# Altium PCB RFSOC_SAWG.PcbDoc (part 5 of 15)
Units mm, origin at the board's own origin, x right, y up, seen from the top; angles counter-clockwise.
Board outline 221.25 x 100 mm, 8 copper layers (Top Layer, Mid-Layer 2, Mid-Layer 3, Mid-Layer 4, Mid-Layer 5, Mid-Layer 6, Mid-Layer 7, Bottom Layer), stack 1.455 mm thick; 1107 components, 833 nets, 3980 pads, 2483 vias.
Unrouted connection lines stored in the file: 1.
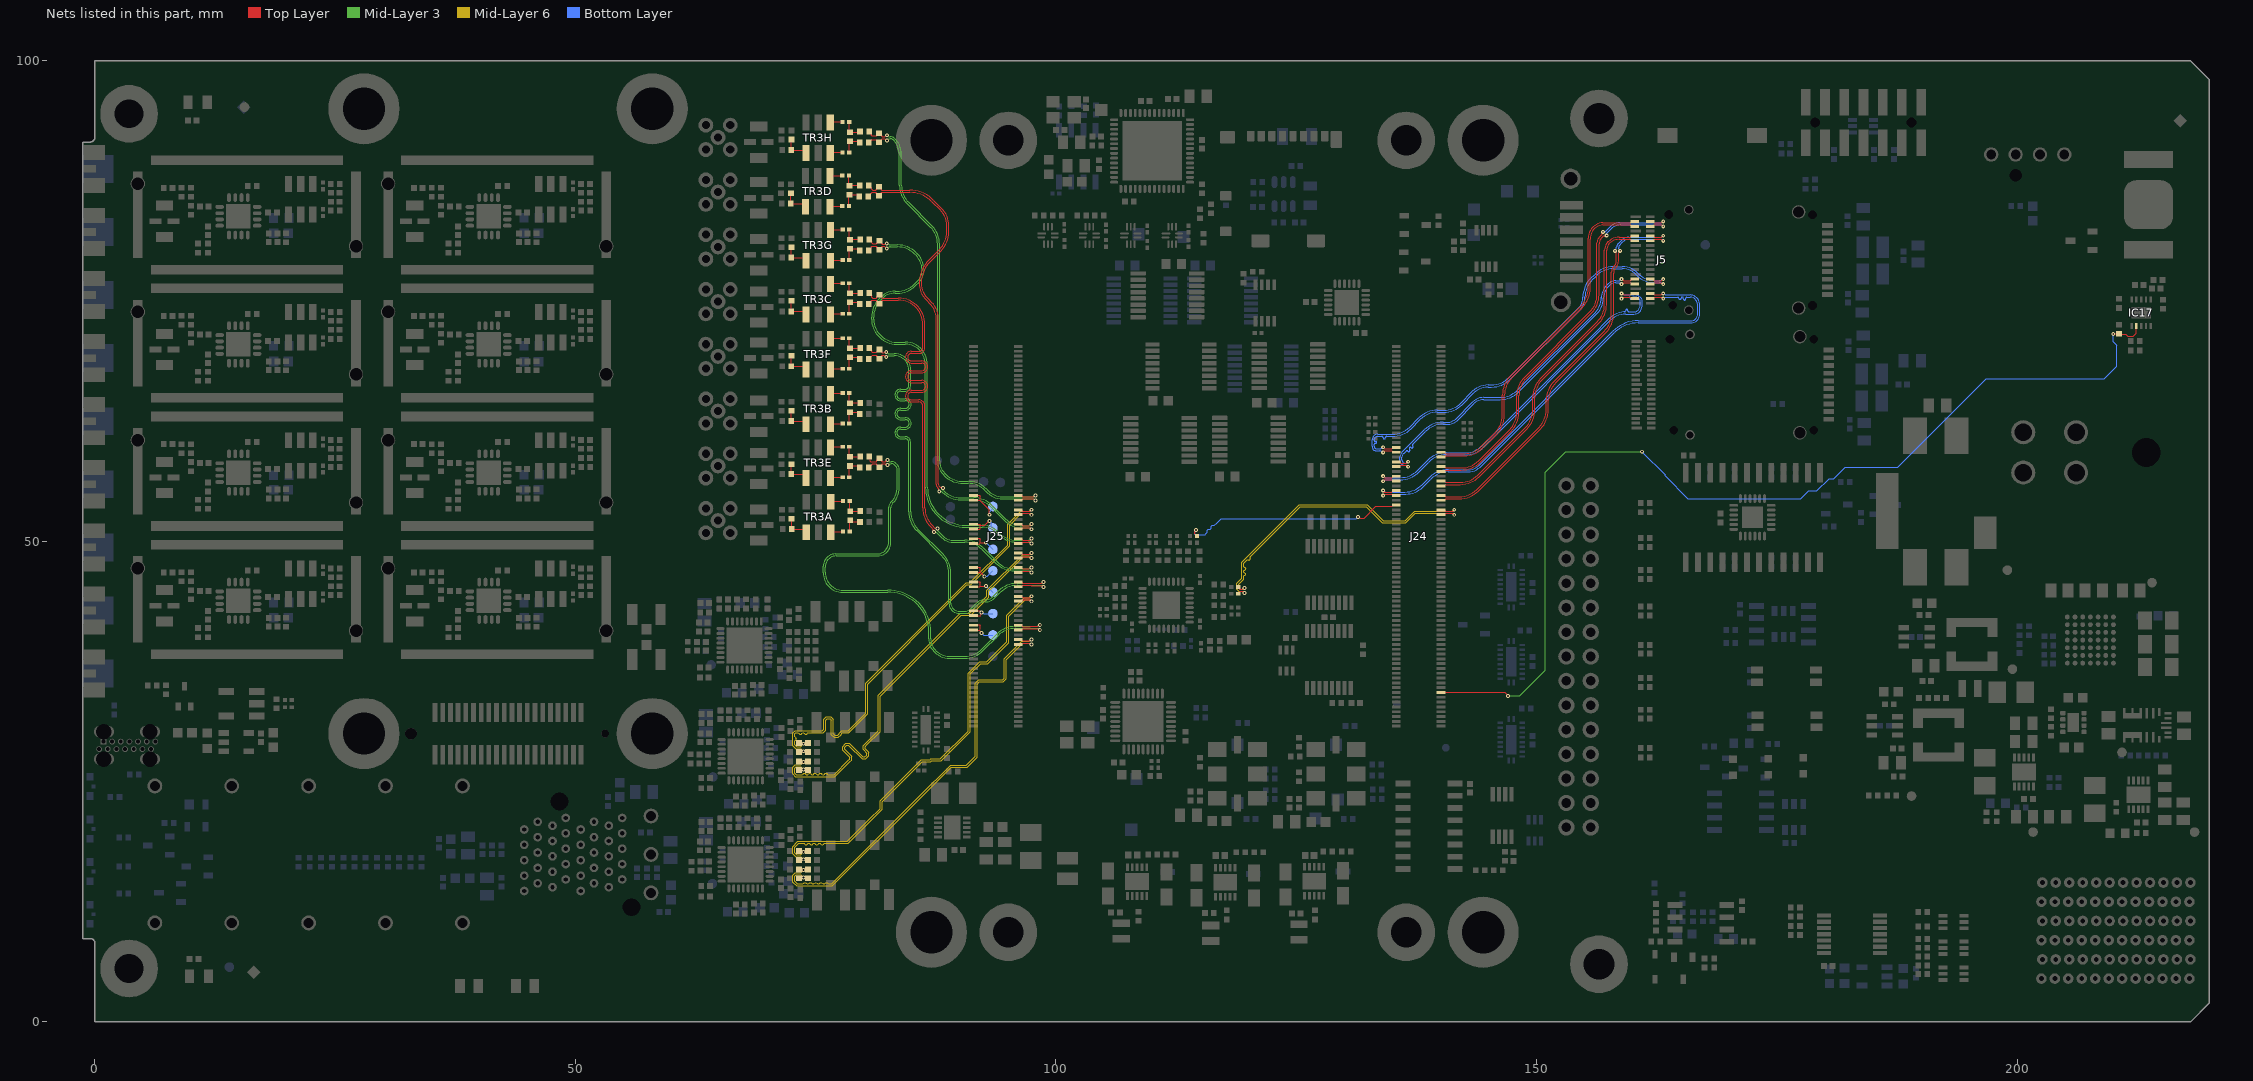
[diagram p11: the nets of this part, all layers, seen from the top]

## Via types
v1: diameter 0.4, hole 0.2, Top Layer to Bottom Layer, tented both sides, 1996 vias
v2: diameter 0.55, hole 0.2, Top Layer to Bottom Layer, 149 vias
v3: diameter 0.5, hole 0.2, Top Layer to Bottom Layer, tented both sides, 106 vias
v4: diameter 0.6, hole 0.3, Top Layer to Bottom Layer, tented both sides, 99 vias
v5: diameter 0.4, hole 0.15, Top Layer to Bottom Layer, tented both sides, 60 vias
v6: diameter 0.6, hole 0.3, Top Layer to Bottom Layer, 32 vias
v7: diameter 0.8, hole 0.5, Top Layer to Bottom Layer, tented both sides, 23 vias
v8: diameter 0.3/0.4/0.4/0.4/0.4/0.3 (per signal layer), hole 0.2, Top Layer to Bottom Layer, tented both sides, 12 vias
v9: diameter 0.4, hole 0.2, Top Layer to Bottom Layer, 5 vias
v10: diameter 0.5, hole 0.2, Top Layer to Bottom Layer, 1 vias

## Nets (pads, with @x,y where several pads share a name; then routed paths per layer and width w, separated by ;. In a path a pad name is that pad's centre, name@x,y a point inside that pad or via, vN(x,y) a via of type N, cw(c..) or ccw(c..) an arc to the next point about the centre after c; other vN are vias at no path point) (continued)
ADC0C_N: J25.65 R93C.2 R95C.1 | length 52.1
  Top Layer w0.093: R93C.2@80.533,74.694 80.774,74.935 80.774,75.038 80.828,75.092 81.307,75.092 81.362,75.038 81.362,74.976 81.605,74.732 R95C.1@81.625,74.732 81.645,74.732 81.889,74.976 81.889,75.038 81.943,75.092 83.61,75.092 cw(c83.61,72.552) 86.15,72.552 86.15,72.55 86.15,70.18 cw(c85.754,70.18) 85.754,69.783 84.963,69.783 ccw(c84.963,69.167) 84.963,68.55 86.047,68.55 cw(c86.047,68.154) 86.047,67.757 84.963,67.757 ccw(c84.963,67.141) 84.963,66.524 86.047,66.524 cw(c86.047,66.128) 86.047,65.731 84.963,65.731 ccw(c84.963,65.115) 84.963,64.498 85.754,64.498 cw(c85.754,64.102) 86.15,64.102 86.15,63.945 86.15,53.485 ccw(c88.908,53.485) 86.956,51.536 ccw(c88.908,53.485) 86.958,51.534 87.261,51.231 87.261,51.014 v1(87.3,50.975) ; J25.65@96.085,46.772 96.4,46.772 96.54,46.912 97.35,46.912 97.45,46.812 v1(97.45,46.759)
  Mid-Layer 3 w0.08: v1(87.3,50.975) 87.333,50.942 87.559,50.942 88.082,50.42 ; 88.082,50.419 ccw(c89.336,51.674) 89.336,49.9 90.525,49.9 cw(c90.525,47.425) 92.275,49.175 93.727,47.723 ccw(c95.668,49.664) 95.664,46.919 ccw(c95.668,49.664) 95.668,46.919 97.243,46.919 97.403,46.759 v1(97.45,46.759)
ADC0C_P: J25.67 R9C.2 R95C.2 | length 52.2
  Top Layer w0.093: R9C.2@80.571,75.837 80.571,75.817 80.85,75.538 80.85,75.4 80.938,75.312 81.307,75.312 81.362,75.366 81.362,75.429 81.605,75.672 R95C.2@81.625,75.672 81.645,75.672 81.889,75.429 81.889,75.366 81.943,75.312 83.61,75.312 cw(c83.61,72.552) 86.37,72.552 86.37,72.55 86.37,70.18 cw(c85.754,70.18) 85.754,69.563 84.963,69.563 ccw(c84.963,69.167) 84.963,68.77 86.047,68.77 cw(c86.047,68.154) 86.047,67.537 84.963,67.537 ccw(c84.963,67.141) 84.963,66.744 86.047,66.744 cw(c86.047,66.128) 86.047,65.511 84.963,65.511 ccw(c84.963,65.115) 84.963,64.718 85.754,64.718 cw(c85.754,64.102) 86.37,64.102 86.37,63.945 86.37,53.485 ccw(c88.91,53.485) 87.114,51.689 87.417,51.386 87.634,51.386 v1(87.673,51.348) ; J25.67@96.085,47.272 96.4,47.272 96.54,47.132 97.35,47.132 97.45,47.232 v1(97.45,47.286)
  Mid-Layer 3 w0.08: v1(87.673,51.348) 87.706,51.315 87.706,51.088 88.227,50.567 ccw(c89.338,51.679) 89.338,50.107 90.53,50.107 cw(c90.53,47.437) 92.418,49.325 93.873,47.87 ccw(c95.669,49.666) 95.669,47.126 97.243,47.126 97.403,47.286 v1(97.45,47.286)
ADC0D_N: J25.83 R93D.2 R95D.1 | length 52.4
  Top Layer w0.093: R93D.2@80.484,85.9 80.484,85.92 80.728,86.163 80.738,86.163 80.873,86.298 81.258,86.298 81.313,86.243 81.313,86.181 81.556,85.938 R95D.1@81.576,85.938 81.596,85.938 81.84,86.181 81.84,86.243 81.894,86.298 84.8,86.298 cw(c84.8,83.033) 87.108,85.342 87.975,84.475 cw(c86.345,82.845) 88.65,82.845 88.65,82.188 cw(c86.11,82.188) 87.906,80.392 86.763,79.249 ccw(c89.148,76.863) 85.775,76.863 ccw(c88.217,76.862) 86.49,75.135 86.887,74.737 ; 86.888,74.737 cw(c85.311,73.161) 87.541,73.161 87.541,55.935 ccw(c88.03,55.935) 87.683,55.59 87.75,55.523 ; J25.83@96.085,51.272 96.4,51.272 96.54,51.412 97.35,51.412 97.45,51.312 v1(97.45,51.259) ; v1@87.827,55.283 ccw(c87.958,55.283) v1(87.865,55.19) cw(c87.958,55.283) v1@87.827,55.283 ; v1@87.827,55.283 v1@87.827,55.338 ; v1@87.827,55.338 ccw(c87.565,55.338) 87.751,55.523 87.762,55.512 cw(c87.604,55.354) 87.827,55.354 v1@87.827,55.338
  Mid-Layer 3 w0.08: v1(87.865,55.19) cw(c87.958,55.098) 87.958,55.229 88.054,55.229 88.162,55.12 ccw(c90.098,57.056) 90.095,54.318 ccw(c90.098,57.056) 90.098,54.318 90.485,54.318 91.437,54.318 cw(c91.437,51.778) 92.138,54.219 cw(c91.437,51.778) 93.233,53.574 94.584,52.223 ccw(c96.525,54.164) 96.522,51.419 ccw(c96.525,54.164) 96.525,51.419 97.243,51.419 97.403,51.259 v1(97.45,51.259)
ADC0D_P: J25.85 R9D.2 R95D.2 | length 52.5
  Top Layer w0.093: R9D.2@80.522,87.043 80.766,86.799 80.766,86.676 80.924,86.518 81.258,86.518 81.313,86.572 81.313,86.634 81.556,86.878 R95D.2@81.576,86.878 81.596,86.878 81.84,86.634 81.84,86.572 81.894,86.518 84.802,86.518 cw(c84.802,83.037) 87.263,85.498 88.132,84.629 cw(c86.349,82.847) 88.87,82.847 88.87,82.187 cw(c86.112,82.187) 88.062,80.237 86.919,79.094 ccw(c89.15,76.863) 85.995,76.863 ccw(c88.218,76.863) 86.646,75.29 87.107,74.829 cw(c85.531,73.252) 87.761,73.252 87.761,55.981 ccw(c88.14,55.981) 87.872,55.713 87.906,55.678 ccw(c88.091,55.864) 87.917,55.668 ccw(c88.091,55.864) v1@88.091,55.602 ; 87.917,55.667 ccw(c88.075,55.825) 88.075,55.602 v1@88.091,55.602 ; J25.85@96.085,51.772 96.4,51.772 96.54,51.632 97.35,51.632 97.45,51.732 v1(97.45,51.786) ; v1@88.091,55.602 v1@88.145,55.602 ; v1@88.145,55.602 cw(c88.145,55.47) v1(88.238,55.563) ccw(c88.145,55.47) v1@88.145,55.602
  Mid-Layer 3 w0.08: v1(88.238,55.563) ccw(c88.33,55.471) 88.2,55.471 88.2,55.375 88.306,55.269 ccw(c90.102,57.065) 90.102,54.525 90.57,54.525 91.232,54.525 91.439,54.525 cw(c91.439,51.782) 92.247,54.403 cw(c91.439,51.782) 93.378,53.722 94.73,52.37 ccw(c96.526,54.166) 96.526,51.626 97.243,51.626 97.403,51.786 v1(97.45,51.786)
ADC0E_N: J25.41 R93E.2 R95E.1 | length 52
  Top Layer w0.093: R93E.2@80.533,57.676 80.533,57.696 80.776,57.94 80.796,57.94 80.931,58.074 81.307,58.074 81.362,58.02 81.362,57.958 81.605,57.714 R95E.1@81.625,57.714 81.645,57.714 81.889,57.958 81.889,58.02 81.943,58.074 82.153,58.074 82.158,58.078 82.267,58.078 82.421,57.925 v1(82.475,57.925) ; J25.41@96.085,40.772 96.4,40.772 96.54,40.912 97.439,40.912 97.455,40.929 98.117,40.929 98.271,40.775 v1(98.325,40.775)
  Mid-Layer 3 w0.08: v1(82.475,57.925) 82.522,57.925 82.682,58.085 82.886,58.085 cw(c82.886,57.592) 83.234,57.941 ; 83.234,57.941 83.266,57.909 cw(c82.659,57.301) 83.518,57.301 83.518,55.725 cw(c81.19,55.725) 82.836,54.079 ccw(c83.346,53.569) 82.625,53.569 82.625,49.95 cw(c81.357,49.95) 81.357,48.682 77.064,48.682 ccw(c77.064,47.411) 76.75,48.642 ccw(c77.064,47.411) 75.833,47.725 ccw(c77.064,47.411) 75.793,47.411 75.793,46.714 ccw(c77.807,46.714) 76.18,45.528 ccw(c77.807,46.714) 76.621,45.087 ccw(c77.807,46.714) 77.807,44.7 82.496,44.7 cw(c82.496,40.294) 85.612,43.41 cw(c82.821,40.618) 86.768,40.618 86.768,39.848 ccw(c88.601,39.848) 87.305,38.552 87.379,38.478 ccw(c88.913,40.012) 88.913,37.843 90.506,37.843 ccw(c90.506,40.588) 92.447,38.647 93.991,40.191 cw(c95.787,38.395) 95.787,40.935 98.118,40.935 98.278,40.775 v1(98.325,40.775)
ADC0E_P: J25.43 R9E.2 R95E.2 | length 52.2
  Top Layer w0.093: R9E.2@80.571,58.819 80.698,58.692 80.698,58.348 80.752,58.294 81.307,58.294 81.362,58.348 81.362,58.411 81.605,58.654 R95E.2@81.625,58.654 81.645,58.654 81.889,58.411 81.889,58.348 81.943,58.294 82.062,58.294 82.067,58.298 82.267,58.298 82.421,58.452 v1(82.475,58.452) ; J25.43@96.085,41.272 96.4,41.272 96.54,41.132 97.348,41.132 97.364,41.149 98.117,41.149 98.271,41.302 v1(98.325,41.302)
  Mid-Layer 3 w0.08: v1(82.475,58.452) 82.522,58.452 82.682,58.292 82.888,58.292 cw(c82.888,57.598) 83.379,58.089 83.473,57.994 cw(c82.866,57.387) 83.725,57.387 83.725,55.639 cw(c81.397,55.639) 83.043,53.993 ccw(c83.553,53.483) 82.832,53.483 82.832,49.864 cw(c81.443,49.864) 81.443,48.475 77.15,48.475 ccw(c77.15,47.325) 76.829,48.429 ccw(c77.15,47.325) 76.046,47.646 ccw(c77.15,47.325) 76,47.325 76,46.8 ccw(c77.893,46.8) 77.893,44.907 82.501,44.907 cw(c82.501,40.305) 85.76,43.554 cw(c82.826,40.621) 86.975,40.621 86.975,39.85 ccw(c88.605,39.85) 87.452,38.698 87.525,38.625 ccw(c88.913,40.013) 88.913,38.05 90.505,38.05 ccw(c90.505,40.59) 92.301,38.794 93.845,40.338 cw(c95.786,38.397) 95.786,41.142 98.118,41.142 98.278,41.302 v1(98.325,41.302)
ADC0F_N: J25.59 R93F.2 R95F.1 | length 52
  Top Layer w0.093: R93F.2@80.533,68.979 80.533,68.999 80.776,69.243 80.796,69.243 80.941,69.387 81.087,69.387 81.097,69.377 81.307,69.377 81.362,69.323 81.362,69.261 81.605,69.017 R95F.1@81.625,69.017 81.645,69.017 81.889,69.261 81.889,69.323 81.943,69.377 82.094,69.377 82.296,69.175 v1(82.35,69.175) ; J25.59@96.085,45.272 96.4,45.272 96.54,45.412 97.421,45.412 97.432,45.402 98.517,45.402 98.671,45.248 v1(98.725,45.248)
  Mid-Layer 3 w0.08: v1(82.35,69.175) 82.397,69.175 82.557,69.335 83.173,69.335 cw(c83.173,67.815) 84.124,69.001 cw(c83.173,67.815) 84.359,68.766 cw(c83.173,67.815) 84.693,67.815 84.693,67.235 84.693,66.216 cw(c84.303,66.216) 84.303,65.826 83.84,65.826 ccw(c83.84,65.229) 83.84,64.632 84.348,64.632 cw(c84.348,64.242) 84.348,63.852 83.84,63.852 ccw(c83.84,63.255) 83.84,62.658 84.348,62.658 cw(c84.348,62.268) 84.348,61.878 83.84,61.878 ccw(c83.84,61.281) 83.84,60.684 84.303,60.684 cw(c84.303,60.294) 84.693,60.294 84.693,60.15 84.693,53.069 ccw(c87.438,53.069) 85.495,51.13 ccw(c87.438,53.069) 85.497,51.128 88.124,48.501 cw(c86.328,46.705) 88.868,46.705 88.868,43.542 ccw(c89.839,43.542) 89.152,42.855 89.155,42.852 ccw(c89.962,43.66) 89.962,42.518 90.552,42.518 ccw(c90.552,43.521) 91.262,42.812 91.802,43.352 cw(c92.625,42.529) 92.625,43.693 92.628,43.693 ccw(c92.628,45.057) 93.593,44.093 94.164,44.664 cw(c95.96,42.868) 95.96,45.408 98.518,45.408 98.678,45.248 v1(98.725,45.248)
ADC0F_P: J25.61 R9F.2 R95F.2 | length 52
  Top Layer w0.093: R9F.2@80.571,70.122 80.571,70.102 80.85,69.823 80.85,69.707 80.904,69.653 81.301,69.653 81.362,69.713 81.605,69.957 R95F.2@81.625,69.957 81.645,69.957 81.889,69.714 81.889,69.651 81.943,69.597 82.162,69.597 82.267,69.702 v1(82.35,69.702) ; J25.61@96.085,45.772 96.4,45.772 96.54,45.632 97.513,45.632 97.523,45.622 98.517,45.622 98.671,45.775 v1(98.725,45.775)
  Mid-Layer 3 w0.08: v1(82.35,69.702) 82.397,69.702 82.557,69.542 83.194,69.542 cw(c83.194,67.836) 84.215,69.202 cw(c83.194,67.836) 84.56,68.857 cw(c83.194,67.836) 84.9,67.836 84.9,67.235 84.9,66.216 cw(c84.303,66.216) 84.303,65.619 83.84,65.619 ccw(c83.84,65.229) 83.84,64.839 84.348,64.839 cw(c84.348,64.242) 84.348,63.645 83.84,63.645 ccw(c83.84,63.255) 83.84,62.865 84.348,62.865 cw(c84.348,62.268) 84.348,61.671 83.84,61.671 ccw(c83.84,61.281) 83.84,60.891 84.303,60.891 cw(c84.303,60.294) 84.9,60.294 84.9,60.15 84.9,53.07 ccw(c87.44,53.07) 85.644,51.274 88.272,48.646 ; 88.272,48.646 cw(c86.332,46.707) 89.075,46.707 89.075,43.543 ccw(c89.843,43.543) 89.3,43 ccw(c89.964,43.664) 89.964,42.725 90.55,42.725 ccw(c90.55,43.527) 91.117,42.96 91.658,43.501 cw(c92.622,42.536) 92.622,43.9 92.625,43.9 ccw(c92.625,45.064) 93.448,44.241 94.018,44.811 cw(c95.959,42.87) 95.959,45.615 ; v1(98.725,45.775) 98.678,45.775 98.518,45.615 95.989,45.615 ; 95.959,45.615 ccw(c95.989,48.039) 95.989,45.615 ; 95.959,45.615 95.989,45.615
ADC0G_N: J25.77 R93G.2 R95G.1 | length 52
  Top Layer w0.093: R93G.2@80.533,80.282 80.774,80.523 80.774,80.626 80.828,80.68 81.097,80.68 81.307,80.68 81.362,80.626 81.362,80.564 81.605,80.32 R95G.1@81.625,80.32 81.645,80.32 81.889,80.564 81.889,80.626 81.943,80.68 82.141,80.68 82.346,80.475 v1(82.4,80.475) ; J25.77@96.085,49.772 96.4,49.772 96.54,49.912 v1@97.35,49.912
  Mid-Layer 3 w0.08: v1(82.4,80.475) ccw(c82.4,80.588) 82.48,80.508 cw(c82.786,80.202) 82.786,80.635 83.513,80.635 cw(c83.513,78.095) 85.309,79.891 85.456,79.744 cw(c83.963,78.25) 86.075,78.25 86.075,78.211 cw(c84.539,78.211) 85.625,77.125 85.269,76.769 cw(c83.473,78.565) 83.473,76.025 83.273,76.025 ccw(c83.273,73.935) 81.795,75.413 81.602,75.219 ccw(c83.493,73.328) 80.818,73.328 80.818,73.094 ccw(c83.243,73.094) 81.528,71.379 81.658,71.249 ccw(c83.423,73.015) 83.423,70.518 84.343,70.518 cw(c84.343,68.493) 85.775,69.925 cw(c84.206,68.356) 86.425,68.356 86.425,55.644 ccw(c90.6,55.644) 87.648,52.692 87.649,52.691 ccw(c90.601,55.643) 90.601,51.468 92.323,51.468 cw(c92.323,49.273) 93.875,50.825 93.977,50.723 ccw(c95.918,52.664) 95.918,49.919 97.13,49.919 cw(c97.13,49.646) 97.323,49.839 97.37,49.792 ccw(c97.45,49.872) v1(97.45,49.759)
ADC0G_P: J25.79 R9G.2 R95G.2 | length 52.1
  Top Layer w0.093: R9G.2@80.571,81.425 80.814,81.182 80.814,81.079 80.928,80.966 81.311,80.966 81.605,81.26 R95G.2@81.625,81.26 81.645,81.26 81.889,81.017 81.889,80.954 81.943,80.9 82.215,80.9 82.317,81.002 v1(82.4,81.002) ; J25.79@96.085,50.272 96.4,50.272 96.54,50.132 97.35,50.132 97.45,50.232 v1(97.45,50.286)
  Mid-Layer 3 w0.08: v1(82.4,81.002) cw(c82.4,80.889) 82.48,80.969 ccw(c82.786,81.275) 82.786,80.842 83.515,80.842 cw(c83.515,78.099) 85.454,80.039 85.605,79.887 cw(c83.972,78.254) 86.282,78.254 86.282,78.208 cw(c84.546,78.208) 85.774,76.981 85.415,76.622 cw(c83.474,78.563) 83.474,75.818 83.275,75.818 ccw(c83.275,73.93) 81.94,75.265 81.75,75.075 ccw(c83.5,73.325) 81.025,73.325 81.025,73.094 ccw(c83.244,73.094) 81.675,71.525 81.803,71.397 ccw(c83.425,73.018) 83.425,70.725 84.346,70.725 cw(c84.346,68.499) 85.92,70.073 85.923,70.07 cw(c84.211,68.358) 86.632,68.358 86.632,55.645 ccw(c90.602,55.645) 87.795,52.838 ; 87.795,52.838 ccw(c90.602,55.645) 90.602,51.675 92.328,51.675 cw(c92.328,49.285) 94.018,50.975 94.123,50.87 ccw(c95.919,52.666) 95.919,50.126 97.13,50.126 ccw(c97.13,50.399) 97.323,50.206 97.37,50.253 cw(c97.45,50.173) v1(97.45,50.286)
ADC0H_N: J25.95 R93H.2 R95H.1 | length 52.1
  Top Layer w0.093: R93H.2@80.522,91.477 80.522,91.497 80.766,91.74 80.786,91.74 80.833,91.788 81.321,91.788 81.594,91.515 R95H.1@81.614,91.515 ; R95H.1@81.634,91.515 81.878,91.758 81.878,91.82 81.932,91.875 82.217,91.875 82.371,91.721 v1(82.425,91.721) ; J25.95@96.085,54.272 96.4,54.272 96.54,54.412 96.994,54.412 96.997,54.409 97.655,54.409 97.808,54.256 v1(97.863,54.256)
  Mid-Layer 3 w0.08: v1(82.425,91.721) 82.472,91.721 82.632,91.881 82.788,91.881 cw(c82.788,91.504) 83.054,91.771 83.118,91.707 ; 83.179,91.646 83.118,91.707 ; v1(97.863,54.256) 97.816,54.256 97.656,54.416 94.452,54.416 cw(c94.452,56.673) 92.856,55.077 92.651,55.281 ccw(c90.855,53.485) 90.855,56.025 90.344,56.025 cw(c90.344,58.77) 89.606,56.126 cw(c90.344,58.77) 88.403,56.829 88.277,56.955 cw(c89.688,58.366) 87.726,58.007 cw(c89.688,58.366) 87.693,58.366 87.693,80.905 ccw(c85.153,80.905) 86.949,82.701 84.522,85.128 cw(c86.463,87.069) 83.718,87.069 83.718,90.259 ccw(c81.671,90.259) 83.293,91.508 ccw(c81.671,90.259) 83.118,91.707
ADC0H_P: J25.97 R9H.2 R95H.2 | length 52.1
  Top Layer w0.093: R9H.2@80.56,92.62 80.803,92.377 80.803,92.251 80.857,92.196 81.296,92.196 81.311,92.211 81.371,92.211 R95H.2@81.614,92.455 81.634,92.455 81.878,92.211 81.878,92.149 81.932,92.095 82.217,92.095 82.371,92.248 v1(82.425,92.248) ; J25.97@96.085,54.772 96.4,54.772 96.54,54.632 97.085,54.632 97.089,54.629 97.655,54.629 97.808,54.783 v1(97.863,54.783)
  Mid-Layer 3 w0.08: v1(82.425,92.248) 82.472,92.248 82.632,92.088 82.789,92.088 cw(c82.789,91.508) 83.2,91.918 83.325,91.792 cw(c81.878,90.345) 83.5,91.594 cw(c81.878,90.345) 83.925,90.345 83.925,87.07 ccw(c86.465,87.07) 84.669,85.274 87.097,82.846 cw(c85.157,80.907) 87.9,80.907 87.9,58.367 ccw(c89.692,58.367) 87.919,58.106 ccw(c89.692,58.367) 88.425,57.1 88.549,56.976 ccw(c90.345,58.772) 89.713,56.312 ccw(c90.345,58.772) 90.345,56.232 90.857,56.232 cw(c90.857,53.489) 91.772,56.075 cw(c90.857,53.489) 91.777,56.073 cw(c90.857,53.489) 92.796,55.429 93,55.225 ccw(c94.454,56.679) 94.454,54.623 97.656,54.623 97.816,54.783 v1(97.863,54.783)
ADC1_VCM: B2.1 J25.42 J25.44 | length 3.6
  Top Layer w0.093: J25.42@91.393,40.795 J25.42@91.415,40.772 92.067,40.772 ; J25.44@91.393,41.295 92.055,41.295 92.121,41.229 92.121,40.827 92.067,40.772 ; v1(92.275,40.475) 92.067,40.683 92.067,40.772
  Bottom Layer w0.08: v1(92.275,40.475) 92.496,40.254 B2.1@93.45,40.254
ADC2_VCM: B3.1 J25.48 J25.50 | length 3.3
  Top Layer w0.093: J25.50@91.393,42.795 92.067,42.795 92.262,42.6 v1@92.272,42.6 ; J25.48@91.415,42.272 92.17,42.272 92.239,42.342 92.239,42.564 v1(92.275,42.6)
  Bottom Layer w0.08: v1(92.275,42.6) 92.362,42.6 92.479,42.482 B3.1@93.45,42.482
ADC3_VCM: B4.1 J25.60 J25.62 | length 3.5
  Top Layer w0.093: J25.60@91.393,45.295 J25.60@91.415,45.272 92.067,45.272 92.121,45.327 ; J25.62@91.393,45.795 92.055,45.795 92.121,45.729 92.121,45.327 ; v1(92.728,45.347) 92.708,45.327 92.121,45.327
  Bottom Layer w0.08: v1(92.728,45.347) 92.771,45.347 93.407,44.711 B4.1@93.45,44.711
ADC4_VCM: B5.1 J25.66 J25.68 | length 3.7
  Top Layer w0.093: J25.66@91.393,46.795 J25.66@91.415,46.772 92.067,46.772 92.121,46.827 ; J25.68@91.393,47.295 92.055,47.295 92.121,47.229 92.121,46.827 ; v1(92.551,46.358) 92.121,46.788 92.121,46.827
  Bottom Layer w0.08: v1(92.551,46.358) 92.869,46.358 B5.1@93.45,46.939
ADC5_VCM: B6.1 J25.78 J25.80 | length 3.5
  Top Layer w0.08: 92.121,49.827 92.677,49.827 v1(92.7,49.85)
  Top Layer w0.093: J25.78@91.393,49.795 J25.78@91.415,49.772 92.067,49.772 92.121,49.827 92.121,50.229 92.055,50.295 J25.80@91.393,50.295
  Bottom Layer w0.08: v1(92.7,49.85) 92.734,49.85 93.416,49.168 B6.1@93.45,49.168
ADC6_VCM: B15.1 J25.84 J25.86 | length 3.9
  Top Layer w0.093: J25.84@91.393,51.295 J25.84@91.415,51.272 92.067,51.272 92.121,51.327 92.121,51.657 ; J25.86@91.393,51.795 92.055,51.795 92.121,51.729 92.121,51.657 ; v1(93.074,52.125) 92.606,51.657 92.121,51.657
  Bottom Layer w0.08: v1(93.074,52.125) 93.274,51.925 93.274,51.572 B15.1@93.45,51.396
ADC7_VCM: B9.1 J25.96 J25.98 | length 4.8
  Top Layer w0.093: J25.96@91.415,54.272 91.437,54.25 92.089,54.25 ; J25.98@91.415,54.772 92.078,54.772 92.144,54.706 92.144,54.304 92.089,54.25 ; v1(93.074,52.764) 93.074,53.265 92.089,54.25
  Bottom Layer w0.08: v1(93.074,52.764) 93.135,52.825 93.135,53.063 93.45,53.378 B9.1@93.45,53.625
ADC_B0A_N: C238A.1 TR3A.4 | length 1.3
  Top Layer w0.1: TR3A.4@76.571,50.944 76.637,51.01 C238A.1@77.841,51.01
ADC_B0A_P: C5A.1 TR3A.3 | length 1.3
  Top Layer w0.1: TR3A.3@76.571,54.124 76.632,54.185 C5A.1@77.841,54.185
ADC_B0B_N: C238B.1 TR3B.4 | length 1.3
  Top Layer w0.1: TR3B.4@76.545,62.182 76.611,62.248 C238B.1@77.815,62.248
ADC_B0B_P: C5B.1 TR3B.3 | length 1.3
  Top Layer w0.1: TR3B.3@76.545,65.362 76.606,65.423 C5B.1@77.815,65.423
ADC_B0C_N: C238C.1 TR3C.4 | length 1.3
  Top Layer w0.1: TR3C.4@76.545,73.612 76.611,73.678 C238C.1@77.815,73.678
ADC_B0C_P: C5C.1 TR3C.3 | length 1.3
  Top Layer w0.1: TR3C.3@76.545,76.792 76.606,76.853 C5C.1@77.815,76.853
ADC_B0D_N: C238D.1 TR3D.4 | length 1.3
  Top Layer w0.1: TR3D.4@76.496,84.818 76.562,84.884 C238D.1@77.766,84.884
ADC_B0D_P: C5D.1 TR3D.3 | length 1.3
  Top Layer w0.1: TR3D.3@76.496,87.998 76.557,88.059 C5D.1@77.766,88.059
ADC_B0E_N: C238E.1 TR3E.4 | length 1.3
  Top Layer w0.1: TR3E.4@76.545,56.594 76.611,56.66 C238E.1@77.815,56.66
ADC_B0E_P: C5E.1 TR3E.3 | length 1.3
  Top Layer w0.1: TR3E.3@76.545,59.774 76.606,59.835 C5E.1@77.815,59.835
ADC_B0F_N: C238F.1 TR3F.4 | length 1.3
  Top Layer w0.1: TR3F.4@76.545,67.897 76.611,67.963 C238F.1@77.815,67.963
ADC_B0F_P: C5F.1 TR3F.3 | length 1.3
  Top Layer w0.1: TR3F.3@76.545,71.077 76.606,71.138 C5F.1@77.815,71.138
ADC_B0G_N: C238G.1 TR3G.4 | length 1.3
  Top Layer w0.1: TR3G.4@76.545,79.2 76.611,79.266 C238G.1@77.815,79.266
ADC_B0G_P: C5G.1 TR3G.3 | length 1.3
  Top Layer w0.1: TR3G.3@76.545,82.38 76.606,82.441 C5G.1@77.815,82.441
ADC_B0H_N: C238H.1 TR3H.4 | length 1.3
  Top Layer w0.1: TR3H.4@76.534,90.395 76.6,90.461 C238H.1@77.804,90.461
ADC_B0H_P: C5H.1 TR3H.3 | length 1.3
  Top Layer w0.1: TR3H.3@76.534,93.575 76.595,93.636 C5H.1@77.804,93.636
ADC_C0A_N: C238A.2 R93A.1 R94A.1 | length 2.3
  Top Layer w0.1: C238A.2@78.541,51.01 78.541,52.129 R94A.1@78.603,52.191 78.768,52.026 R93A.1@79.619,52.026
ADC_C0A_P: C5A.2 R9A.1 R94A.2 | length 2.1
  Top Layer w0.1: C5A.2@78.541,54.185 78.541,53.193 R94A.2@78.603,53.131 79.619,53.131 R9A.1@79.657,53.169
ADC_C0B_N: C238B.2 R93B.1 R94B.1 | length 2.3
  Top Layer w0.1: C238B.2@78.515,62.248 78.515,63.367 R94B.1@78.577,63.429 79.428,63.429 R93B.1@79.593,63.264
ADC_C0B_P: C5B.2 R9B.1 R94B.2 | length 2.1
  Top Layer w0.1: C5B.2@78.515,65.423 78.515,64.431 R94B.2@78.577,64.369 78.615,64.407 R9B.1@79.631,64.407
ADC_C0C_N: C238C.2 R93C.1 R94C.1 | length 2.3
  Top Layer w0.1: C238C.2@78.515,73.678 78.515,74.797 R94C.1@78.577,74.859 79.428,74.859 R93C.1@79.593,74.694
ADC_C0C_P: C5C.2 R9C.1 R94C.2 | length 2.1
  Top Layer w0.1: C5C.2@78.515,76.853 78.515,75.861 R94C.2@78.577,75.799 78.615,75.837 R9C.1@79.631,75.837
ADC_C0D_N: C238D.2 R93D.1 R94D.1 | length 2.3
  Top Layer w0.1: C238D.2@78.466,84.884 78.466,86.003 R94D.1@78.528,86.065 79.379,86.065 R93D.1@79.544,85.9